# EAGLE board 14202-RedBoard-Panel (EAGLE 9.0.1), part 1 of 6
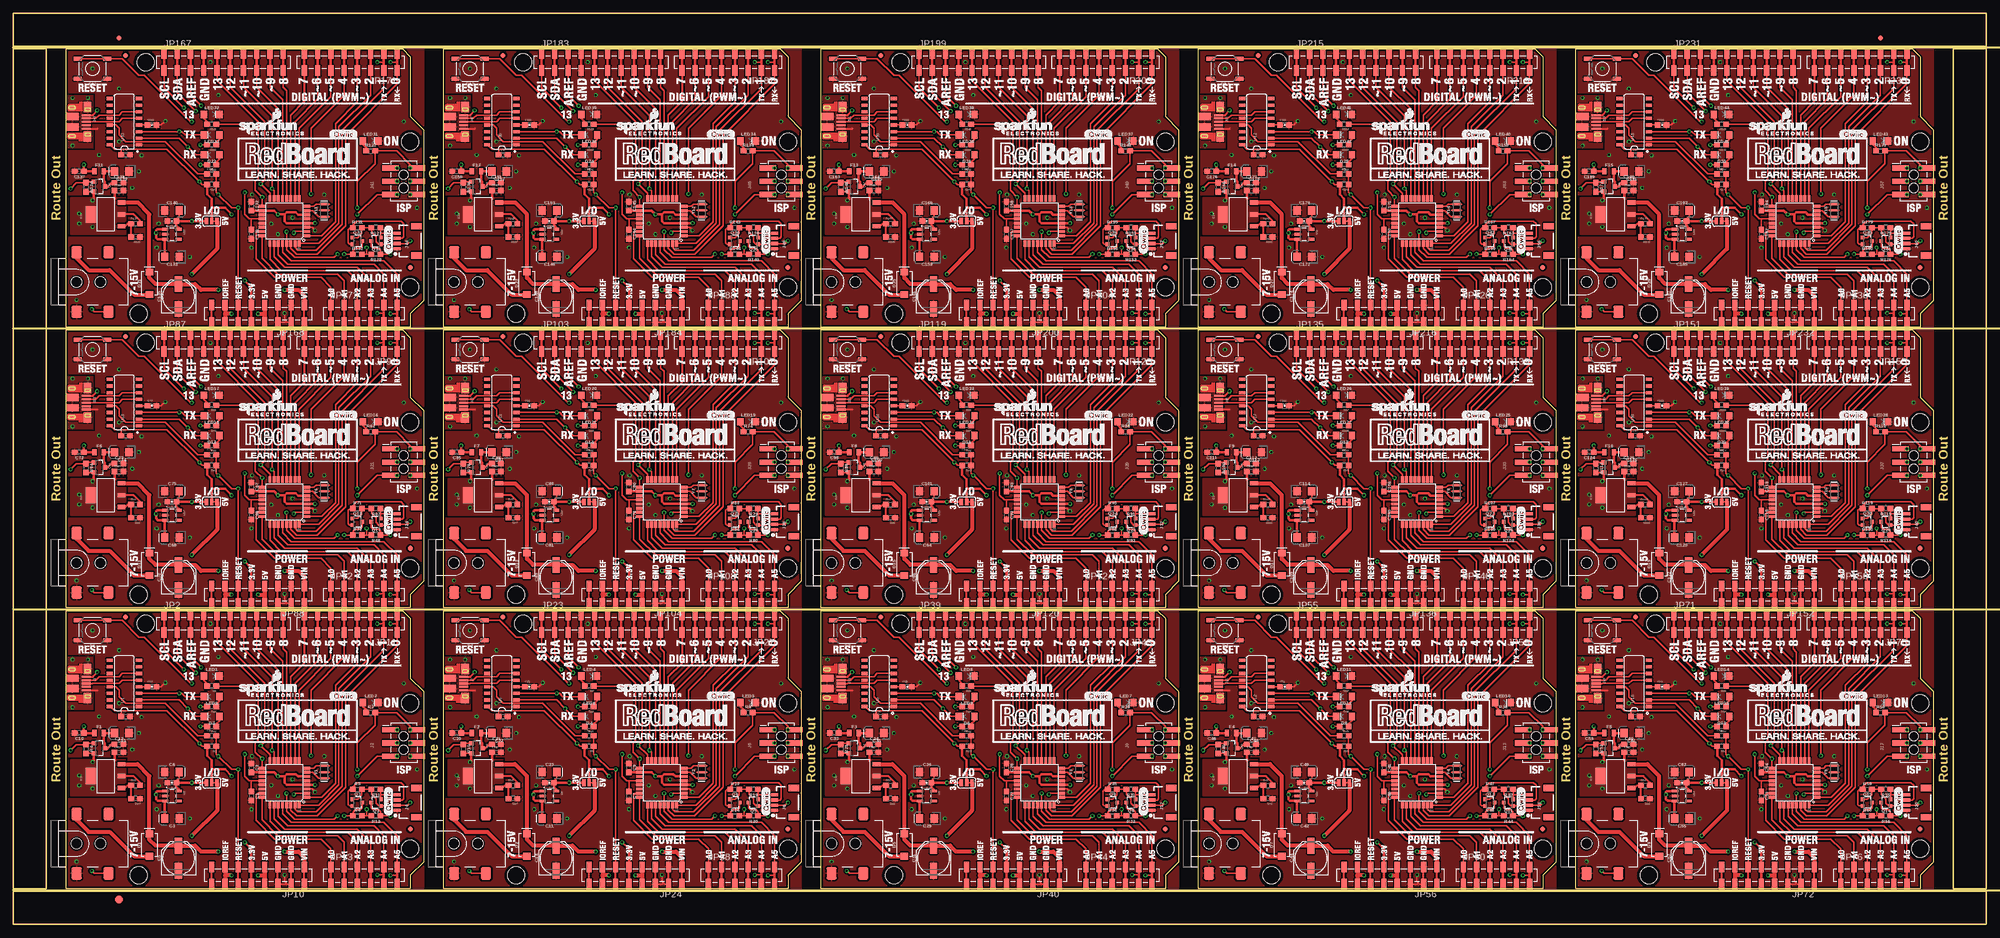
[diagram p0: board, top side]
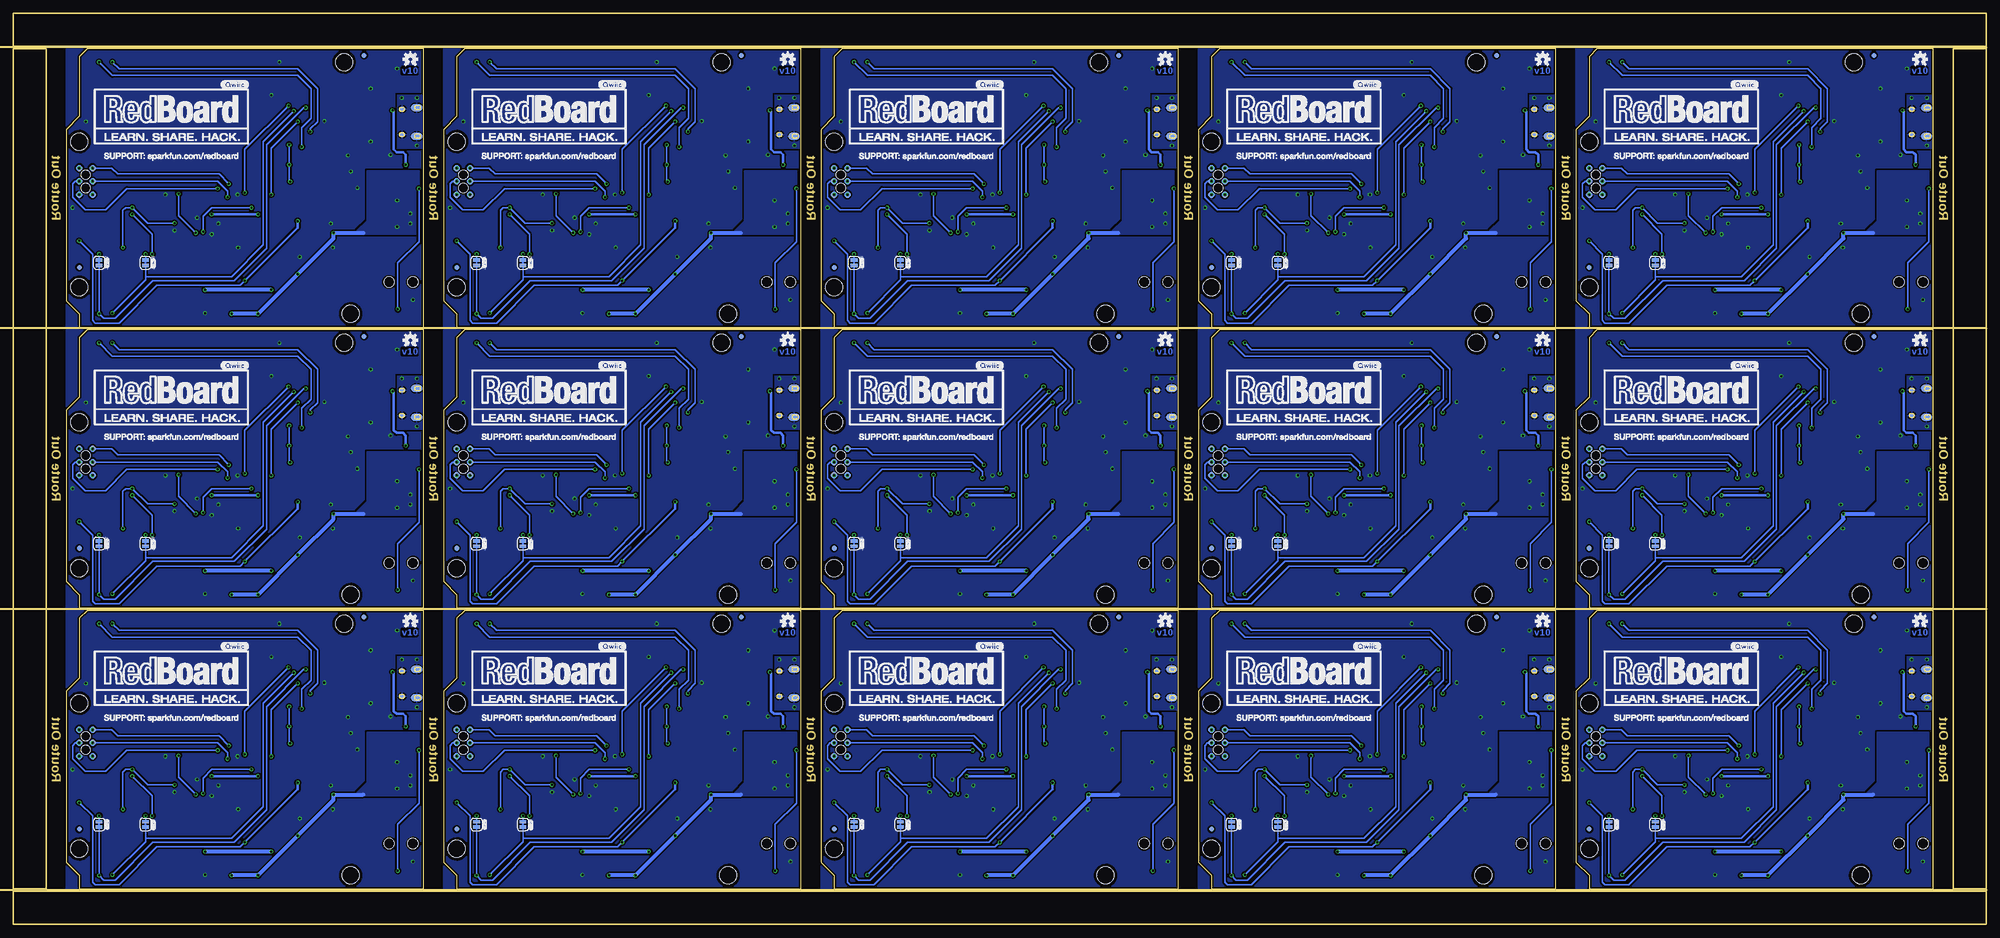
[diagram p1: board, bottom side, seen from below]

Size 378.46 x 174.75 mm. Coordinates in mm from the lower left corner, seen from the top.
Outline: 10.16,60.2 74.68,60.2 76.2,58.67 76.2,47.24 78.74,44.7 78.74,11.94 76.2,9.4 76.2,6.86 10.16,6.86 10.16,60.2
Outline: 82.55,60.2 147.07,60.2 148.59,58.67 148.59,47.24 151.13,44.7 151.13,11.94 148.59,9.4 148.59,6.86 82.55,6.86 82.55,60.2
Outline: 154.94,60.2 219.46,60.2 220.98,58.67 220.98,47.24 223.52,44.7 223.52,11.94 220.98,9.4 220.98,6.86 154.94,6.86 154.94,60.2
Outline: 227.33,60.2 291.85,60.2 293.37,58.67 293.37,47.24 295.91,44.7 295.91,11.94 293.37,9.4 293.37,6.86 227.33,6.86 227.33,60.2
Outline: 299.72,60.2 364.24,60.2 365.76,58.67 365.76,47.24 368.3,44.7 368.3,11.94 365.76,9.4 365.76,6.86 299.72,6.86 299.72,60.2
Outline: 10.16,114.05 74.68,114.05 76.2,112.52 76.2,101.09 78.74,98.55 78.74,65.79 76.2,63.25 76.2,60.71 10.16,60.71 10.16,114.05
Outline: 82.55,114.05 147.07,114.05 148.59,112.52 148.59,101.09 151.13,98.55 151.13,65.79 148.59,63.25 148.59,60.71 82.55,60.71 82.55,114.05
Outline: 154.94,114.05 219.46,114.05 220.98,112.52 220.98,101.09 223.52,98.55 223.52,65.79 220.98,63.25 220.98,60.71 154.94,60.71 154.94,114.05
Outline: 227.33,114.05 291.85,114.05 293.37,112.52 293.37,101.09 295.91,98.55 295.91,65.79 293.37,63.25 293.37,60.71 227.33,60.71 227.33,114.05
Outline: 299.72,114.05 364.24,114.05 365.76,112.52 365.76,101.09 368.3,98.55 368.3,65.79 365.76,63.25 365.76,60.71 299.72,60.71 299.72,114.05
Outline: 10.16,167.89 74.68,167.89 76.2,166.37 76.2,154.94 78.74,152.4 78.74,119.63 76.2,117.09 76.2,114.55 10.16,114.55 10.16,167.89
Outline: 82.55,167.89 147.07,167.89 148.59,166.37 148.59,154.94 151.13,152.4 151.13,119.63 148.59,117.09 148.59,114.55 82.55,114.55 82.55,167.89
Outline: 154.94,167.89 219.46,167.89 220.98,166.37 220.98,154.94 223.52,152.4 223.52,119.63 220.98,117.09 220.98,114.55 154.94,114.55 154.94,167.89
Outline: 227.33,167.89 291.85,167.89 293.37,166.37 293.37,154.94 295.91,152.4 295.91,119.63 293.37,117.09 293.37,114.55 227.33,114.55 227.33,167.89
Outline: 299.72,167.89 364.24,167.89 365.76,166.37 365.76,154.94 368.3,152.4 368.3,119.63 365.76,117.09 365.76,114.55 299.72,114.55 299.72,167.89
Outline: 0,6.35 378.46,6.35 378.46,0 0,0 0,6.35
Outline: 372.11,167.89 378.46,167.89 378.46,6.86 372.11,6.86 372.11,167.89
Outline: 0,174.75 378.46,174.75 378.46,168.4 0,168.4 0,174.75
Outline: 0,167.89 6.35,167.89 6.35,6.86 0,6.86 0,167.89
Copper layers (1*16): Top 0.035mm / dielectric 1.5mm / Bottom 0.035mm
Design rules "SparkFun-2-layer-PCBWay-LIMIT": minimum track width 6mil, minimum drill 0.3mm, track to track 6mil, track to pad 6mil, pad to pad 6mil, via to via 6mil, smd to smd 6mil, copper to edge 6mil, drill to drill 6mil, minimum pad ring 6mil, minimum via ring 6mil, stop-mask expansion 4mil, vias tented up to drill 25mil, thermal gap 10mil
vRestrict: area 10.8,29.2 to 12.2,37.5; area 15.9,30 to 17.5,37.5; area 58,17.7 to 58.7,18.2; area 60.6,17.5 to 61.1,18.4; area 21.5,36.2 to 22.9,38.5; area 10.4,19.8 to 19.6,31.9; area 83.2,29.2 to 84.6,37.5; area 88.3,30 to 89.9,37.5; area 130.4,17.7 to 131.1,18.2; area 133,17.5 to 133.5,18.4; area 93.9,36.2 to 95.2,38.5; area 82.8,19.8 to 91.9,31.9; area 155.6,29.2 to 157,37.5; area 160.7,30 to 162.3,37.5; area 202.8,17.7 to 203.5,18.2; area 205.4,17.5 to 205.9,18.4; area 166.2,36.2 to 167.6,38.5; area 155.2,19.8 to 164.3,31.9; area 228,29.2 to 229.4,37.5; area 233,30 to 234.7,37.5; area 275.2,17.7 to 275.8,18.2; area 277.7,17.5 to 278.3,18.4; area 238.6,36.2 to 240,38.5; area 227.6,19.8 to 236.7,31.9; area 300.4,29.2 to 301.8,37.5; area 305.4,30 to 307.1,37.5; area 347.6,17.7 to 348.2,18.2; area 350.1,17.5 to 350.6,18.4; area 311,36.2 to 312.4,38.5; area 300,19.8 to 309.1,31.9; area 10.8,83.1 to 12.2,91.3; area 15.9,83.8 to 17.5,91.3; area 58,71.5 to 58.7,72; area 60.6,71.4 to 61.1,72.3; area 21.5,90 to 22.9,92.3; area 10.4,73.7 to 19.6,85.7; area 83.2,83.1 to 84.6,91.3; area 88.3,83.8 to 89.9,91.3; area 130.4,71.5 to 131.1,72; area 133,71.4 to 133.5,72.3; area 93.9,90 to 95.2,92.3; area 82.8,73.7 to 91.9,85.7; area 155.6,83.1 to 157,91.3; area 160.7,83.8 to 162.3,91.3; area 202.8,71.5 to 203.5,72; area 205.4,71.4 to 205.9,72.3; area 166.2,90 to 167.6,92.3; area 155.2,73.7 to 164.3,85.7; area 228,83.1 to 229.4,91.3; area 233,83.8 to 234.7,91.3; area 275.2,71.5 to 275.8,72; area 277.7,71.4 to 278.3,72.3; area 238.6,90 to 240,92.3; area 227.6,73.7 to 236.7,85.7; area 300.4,83.1 to 301.8,91.3; area 305.4,83.8 to 307.1,91.3; area 347.6,71.5 to 348.2,72; area 350.1,71.4 to 350.6,72.3; area 311,90 to 312.4,92.3; area 300,73.7 to 309.1,85.7; area 10.8,136.9 to 12.2,145.2; area 15.9,137.7 to 17.5,145.2; area 58,125.3 to 58.7,125.9; area 60.6,125.2 to 61.1,126.1; area 21.5,143.9 to 22.9,146.2; area 10.4,127.5 to 19.6,139.6; area 83.2,136.9 to 84.6,145.2; area 88.3,137.7 to 89.9,145.2; area 130.4,125.3 to 131.1,125.9; area 133,125.2 to 133.5,126.1; area 93.9,143.9 to 95.2,146.2; area 82.8,127.5 to 91.9,139.6; area 155.6,136.9 to 157,145.2; area 160.7,137.7 to 162.3,145.2; area 202.8,125.3 to 203.5,125.9; area 205.4,125.2 to 205.9,126.1; area 166.2,143.9 to 167.6,146.2; area 155.2,127.5 to 164.3,139.6; area 228,136.9 to 229.4,145.2; area 233,137.7 to 234.7,145.2; area 275.2,125.3 to 275.8,125.9; area 277.7,125.2 to 278.3,126.1; area 238.6,143.9 to 240,146.2; area 227.6,127.5 to 236.7,139.6; area 300.4,136.9 to 301.8,145.2; area 305.4,137.7 to 307.1,145.2; area 347.6,125.3 to 348.2,125.9; area 350.1,125.2 to 350.6,126.1; area 311,143.9 to 312.4,146.2; area 300,127.5 to 309.1,139.6
Milling: 4 lines

## Footprints (pad centres in the part's own frame; a part is rotated, then mirrored left to right if it is on the bottom)
0603 = smd 1.1 x 1: 1 -0.85,0; 2 0.85,0
EIA3216 = smd 1.4 x 1.6: + 1.4,0; - -1.4,0
PANASONIC_D = smd 3 x 1.4: + 2.4,0; - -2.4,0
0603-CAP = smd 1.1 x 1: 1 -0.85,0; 2 0.85,0
SMA-DIODE = smd 1.27 x 1.47: A -2.15,0; C 2.15,0
LED-1206-HIDDENSILK = smd 1.2 x 1.4: A -1.5,0; C 1.5,0
FIDUCIAL-1X2 = smd 1 x 1: 1 0,0
FIDUCIAL-1.5X3 = smd 1.5 x 1.5: 1 0,0
0805 = smd 0.8 x 1.2: 1 -0.9,0; 2 0.9,0
SMT-JUMPER_3_1-NC_TRACE_SILK = smd 0.635 x 1.27: 1 -1.016,0; 2 0,0; 3 1.016,0
SOT223-ALT1 = smd 0.813 x 1.524: 1 -2.271,-3.02; 2 0,-3.02; 3 2.288,-3.02 | smd 3.124 x 1.905: 4 0,2.921
USB-MICROB-PTH-MILL = smd 0.4 x 1.75: D+ 0.031,1.331; D- -0.619,1.331; GND 1.331,1.331; ID 0.681,1.331; VBUS -1.269,1.331 | smd 2 x 1.46: SHIELD -2.794,1.606; SHIELD2 2.831,1.606 | smd 1.425 x 2.5: SHIELD3 -0.979,-1.349; SHIELD4 0.996,-1.352 | smd 1.4 x 2.1 bottom: SHIELD5 -2.7,-1.2; SHIELD7 2.8,-1.2 | smd 1.1 x 1.5: SHIELD6 2.8,-1.4; SHIELD8 -2.7,-1.4 | smd 1 x 1.3 bottom: SHIELD9 -2.4,1.6; SHIELD10 2.5,1.6
2X3_SMT_POSTS = smd 1 x 3.17: 1 -2.54,-2.54; 2 -2.54,2.54; 3 0,-2.54; 4 0,2.54; 5 2.54,-2.54; 6 2.54,2.54 | hole 1.8: -1.27,0; 1.27,0
POWER_JACK_SMD_OVERPASTE_SUPER_BOMB_DIGITY = smd 2 x 2.4: GND 0,-5.7; P$4 6.1,-5.7; VIN0 0,5.7; VIN1 6.1,5.7 | hole 2.032: 0,0; 4.572,0
1X04_1MM_RA = smd 0.6 x 1.35: 1 -1.5,0; 2 -0.5,0; 3 0.5,0; 4 1.5,0 | smd 1.2 x 2: NC1 2.8,-3.675; NC2 -2.8,-3.675
1X10_SMD_COMBINED = smd 1 x 2: 1A 0,1.65; 1B 0,-1.65; 2A 2.54,1.65; 2B 2.54,-1.65; 3A 5.08,1.65; 3B 5.08,-1.65; 4A 7.62,1.65; 4B 7.62,-1.65; 5A 10.16,1.65; 5B 10.16,-1.65; 6A 12.7,1.65; 6B 12.7,-1.65; 7A 15.24,1.65; 7B 15.24,-1.65; 8A 17.78,1.65; 8B 17.78,-1.65; 9A 20.32,1.65; 9B 20.32,-1.65; 10A 22.86,1.65; 10B 22.86,-1.65
STAND-OFF = hole 3.302: 0,0
1X08_SMD_COMBINED = smd 1 x 2: 1 0,1.65; 1@2 0,-1.65; 2 2.54,-1.65; 2@2 2.54,1.65; 3 5.08,1.65; 3@2 5.08,-1.65; 4 7.62,-1.65; 4@2 7.62,1.65; 5 10.16,1.65; 5@2 10.16,-1.65; 6 12.7,-1.65; 6@2 12.7,1.65; 7 15.24,1.65; 7@2 15.24,-1.65; 8 17.78,-1.65; 8@2 17.78,1.65
1X08_SMD_COMBINED@1 = smd 1 x 2: 1A 0,1.65; 1B 0,-1.65; 2A 2.54,-1.65; 2B 2.54,1.65; 3A 5.08,1.65; 3B 5.08,-1.65; 4A 7.62,-1.65; 4B 7.62,1.65; 5A 10.16,1.65; 5B 10.16,-1.65; 6A 12.7,-1.65; 6B 12.7,1.65; 7A 15.24,1.65; 7B 15.24,-1.65; 8A 17.78,-1.65; 8B 17.78,1.65
SMT-JUMPER_2_NC_TRACE_SILK = smd 0.635 x 1.27: 1 -0.508,0; 2 0.508,0
1X06_SMD_STRAIGHT_COMBO = smd 1 x 2: 1A 0,-1.65; 1B 0,1.65; 2A 2.54,1.65; 2B 2.54,-1.65; 3A 5.08,-1.65; 3B 5.08,1.65; 4A 7.62,1.65; 4B 7.62,-1.65; 5A 10.16,-1.65; 5B 10.16,1.65; 6A 12.7,1.65; 6B 12.7,-1.65
SOT23-3 = smd 0.8 x 0.9: 1 -0.95,-1; 2 0.95,-1; 3 0,1.1
SOT323 = smd 0.7 x 0.7: 1 -0.65,-0.925; 2 0.65,-0.925; 3 0,0.925
TACTILE_SWITCH_SMD_5.2MM = smd 1.524 x 0.762: 1 -2.794,1.905; 2 2.794,1.905; 3 -2.794,-1.905; 4 2.794,-1.905
PAD.03X.05 = smd 1.27 x 1.27: P$1 0,0
SO016 = smd 0.6 x 1.2: 1 -4.445,-2.8; 2 -3.175,-2.8; 3 -1.905,-2.8; 4 -0.635,-2.8; 5 0.635,-2.8; 6 1.905,-2.8; 7 3.175,-2.8; 8 4.445,-2.8; 9 4.445,2.8; 10 3.175,2.8; 11 1.905,2.8; 12 0.635,2.8; 13 -0.635,2.8; 14 -1.905,2.8; 15 -3.175,2.8; 16 -4.445,2.8
TQFP32-08 = smd 1.27 x 0.559: 1 -4.293,2.8; 2 -4.293,2; 3 -4.293,1.2; 4 -4.293,0.4; 5 -4.293,-0.4; 6 -4.293,-1.2; 7 -4.293,-2; 8 -4.293,-2.8; 17 4.293,-2.8; 18 4.293,-2; 19 4.293,-1.2; 20 4.293,-0.4; 21 4.293,0.4; 22 4.293,1.2; 23 4.293,2; 24 4.293,2.8 | smd 0.559 x 1.27: 9 -2.8,-4.293; 10 -2,-4.293; 11 -1.2,-4.293; 12 -0.4,-4.293; 13 0.4,-4.293; 14 1.2,-4.293; 15 2,-4.293; 16 2.8,-4.293; 25 2.8,4.293; 26 2,4.293; 27 1.2,4.293; 28 0.4,4.293; 29 -0.4,4.293; 30 -1.2,4.293; 31 -2,4.293; 32 -2.8,4.293
SOT23-5 = smd 0.55 x 1.2: 1 -0.95,-1.3; 2 0,-1.3; 3 0.95,-1.3; 4 0.95,1.3; 5 -0.95,1.3
RESONATOR-SMD-3.2X1.3 = smd 0.45 x 1.905: 1 -1.2,0; 2 0,0; 3 1.2,0

## Placement (x,y rotation side)
C1  0.1uF  [0603]  45.72,24.64 270 top
C2  0.1uF  [0603]  45.72,30.03 270 top
C3  10uF  [EIA3216]  30.48,20.32 180 top
C4  0.1uF  [0603]  20.32,33.02 0 top
C5  47uF  [PANASONIC_D]  31.75,12.7 90 top
C6  10uF  [EIA3216]  30.48,29.21 0 top
C7  0.1uF  [0603]  118.11,24.64 270 top
C8  0.1uF  [0603]  38.1,36.2 0 top
C9  0.1uF  [0603]  118.11,30.03 270 top
C10  0.1uF  [0603]  12.7,36.7 180 top
C11  10uF  [EIA3216]  102.87,20.32 180 top
C12  0.1uF  [0603]  20.32,34.54 0 top
C13  0.1uF  [0603]  92.71,33.02 0 top
C14  47uF  [PANASONIC_D]  104.14,12.7 90 top
C15  10uF  [EIA3216]  20.83,36.7 180 top
C16  1.0uF  [0603-CAP]  30.48,27.18 180 top
C17  10nF  [0603-CAP]  26.67,45.59 0 top
C18  0.1uF  [0603]  21.59,39.88 0 top
C19  0.1uF  [0603]  110.49,36.2 0 top
C20  0.1uF  [0603]  85.09,36.7 180 top
C21  0.1uF  [0603]  92.71,34.54 0 top
C22  10uF  [EIA3216]  93.22,36.7 180 top
C23  10uF  [EIA3216]  102.87,29.21 0 top
C24  1.0uF  [0603-CAP]  102.87,27.18 180 top
C25  10nF  [0603-CAP]  99.06,45.59 0 top
C26  0.1uF  [0603]  93.98,39.88 0 top
C27  0.1uF  [0603]  190.5,24.64 270 top
C28  0.1uF  [0603]  190.5,30.03 270 top
C29  10uF  [EIA3216]  175.26,20.32 180 top
C30  0.1uF  [0603]  165.1,33.02 0 top
C31  47uF  [PANASONIC_D]  176.53,12.7 90 top
C32  0.1uF  [0603]  182.88,36.2 0 top
C33  0.1uF  [0603]  157.48,36.7 180 top
C34  0.1uF  [0603]  165.1,34.54 0 top
C35  10uF  [EIA3216]  165.61,36.7 180 top
C36  10uF  [EIA3216]  175.26,29.21 0 top
C37  1.0uF  [0603-CAP]  175.26,27.18 180 top
C38  10nF  [0603-CAP]  171.45,45.59 0 top
C39  0.1uF  [0603]  166.37,39.88 0 top
C40  0.1uF  [0603]  262.89,24.64 270 top
C41  0.1uF  [0603]  262.89,30.03 270 top
C42  10uF  [EIA3216]  247.65,20.32 180 top
C43  0.1uF  [0603]  237.49,33.02 0 top
C44  47uF  [PANASONIC_D]  248.92,12.7 90 top
C45  0.1uF  [0603]  255.27,36.2 0 top
C46  0.1uF  [0603]  229.87,36.7 180 top
C47  0.1uF  [0603]  237.49,34.54 0 top
C48  10uF  [EIA3216]  238,36.7 180 top
C49  10uF  [EIA3216]  247.65,29.21 0 top
C50  1.0uF  [0603-CAP]  247.65,27.18 180 top
C51  10nF  [0603-CAP]  243.84,45.59 0 top
C52  0.1uF  [0603]  238.76,39.88 0 top
C53  0.1uF  [0603]  335.28,24.64 270 top
C54  0.1uF  [0603]  335.28,30.03 270 top
C55  10uF  [EIA3216]  320.04,20.32 180 top
C56  0.1uF  [0603]  309.88,33.02 0 top
C57  47uF  [PANASONIC_D]  321.31,12.7 90 top
C58  0.1uF  [0603]  327.66,36.2 0 top
C59  0.1uF  [0603]  302.26,36.7 180 top
C60  0.1uF  [0603]  309.88,34.54 0 top
C61  10uF  [EIA3216]  310.39,36.7 180 top
C62  10uF  [EIA3216]  320.04,29.21 0 top
C63  1.0uF  [0603-CAP]  320.04,27.18 180 top
C64  10nF  [0603-CAP]  316.23,45.59 0 top
C65  0.1uF  [0603]  311.15,39.88 0 top
C66  0.1uF  [0603]  45.72,78.49 270 top
C67  0.1uF  [0603]  45.72,83.88 270 top
C68  10uF  [EIA3216]  30.48,74.17 180 top
C69  0.1uF  [0603]  20.32,86.87 0 top
C70  47uF  [PANASONIC_D]  31.75,66.55 90 top
C71  0.1uF  [0603]  38.1,90.04 0 top
C72  0.1uF  [0603]  12.7,90.55 180 top
C73  0.1uF  [0603]  20.32,88.39 0 top
C74  10uF  [EIA3216]  20.83,90.55 180 top
C75  10uF  [EIA3216]  30.48,83.06 0 top
C76  1.0uF  [0603-CAP]  30.48,81.03 180 top
C77  10nF  [0603-CAP]  26.67,99.44 0 top
C78  0.1uF  [0603]  21.59,93.73 0 top
C79  0.1uF  [0603]  118.11,78.49 270 top
C80  0.1uF  [0603]  118.11,83.88 270 top
C81  10uF  [EIA3216]  102.87,74.17 180 top
C82  0.1uF  [0603]  92.71,86.87 0 top
C83  47uF  [PANASONIC_D]  104.14,66.55 90 top
C84  0.1uF  [0603]  110.49,90.04 0 top
C85  0.1uF  [0603]  85.09,90.55 180 top
C86  0.1uF  [0603]  92.71,88.39 0 top
C87  10uF  [EIA3216]  93.22,90.55 180 top
C88  10uF  [EIA3216]  102.87,83.06 0 top
C89  1.0uF  [0603-CAP]  102.87,81.03 180 top
C90  10nF  [0603-CAP]  99.06,99.44 0 top
C91  0.1uF  [0603]  93.98,93.73 0 top
C92  0.1uF  [0603]  190.5,78.49 270 top
C93  0.1uF  [0603]  190.5,83.88 270 top
C94  10uF  [EIA3216]  175.26,74.17 180 top
C95  0.1uF  [0603]  165.1,86.87 0 top
C96  47uF  [PANASONIC_D]  176.53,66.55 90 top
C97  0.1uF  [0603]  182.88,90.04 0 top
C98  0.1uF  [0603]  157.48,90.55 180 top
C99  0.1uF  [0603]  165.1,88.39 0 top
C100  10uF  [EIA3216]  165.61,90.55 180 top
C101  10uF  [EIA3216]  175.26,83.06 0 top
C102  1.0uF  [0603-CAP]  175.26,81.03 180 top
C103  10nF  [0603-CAP]  171.45,99.44 0 top
C104  0.1uF  [0603]  166.37,93.73 0 top
C105  0.1uF  [0603]  262.89,78.49 270 top
C106  0.1uF  [0603]  262.89,83.88 270 top
C107  10uF  [EIA3216]  247.65,74.17 180 top
C108  0.1uF  [0603]  237.49,86.87 0 top
C109  47uF  [PANASONIC_D]  248.92,66.55 90 top
C110  0.1uF  [0603]  255.27,90.04 0 top
C111  0.1uF  [0603]  229.87,90.55 180 top
C112  0.1uF  [0603]  237.49,88.39 0 top
C113  10uF  [EIA3216]  238,90.55 180 top
C114  10uF  [EIA3216]  247.65,83.06 0 top
C115  1.0uF  [0603-CAP]  247.65,81.03 180 top
C116  10nF  [0603-CAP]  243.84,99.44 0 top
C117  0.1uF  [0603]  238.76,93.73 0 top
C118  0.1uF  [0603]  335.28,78.49 270 top
C119  0.1uF  [0603]  335.28,83.88 270 top
C120  10uF  [EIA3216]  320.04,74.17 180 top
C121  0.1uF  [0603]  309.88,86.87 0 top
C122  47uF  [PANASONIC_D]  321.31,66.55 90 top
C123  0.1uF  [0603]  327.66,90.04 0 top
C124  0.1uF  [0603]  302.26,90.55 180 top
C125  0.1uF  [0603]  309.88,88.39 0 top
C126  10uF  [EIA3216]  310.39,90.55 180 top
C127  10uF  [EIA3216]  320.04,83.06 0 top
C128  1.0uF  [0603-CAP]  320.04,81.03 180 top
C129  10nF  [0603-CAP]  316.23,99.44 0 top
C130  0.1uF  [0603]  311.15,93.73 0 top
C131  0.1uF  [0603]  45.72,132.33 270 top
C132  0.1uF  [0603]  45.72,137.72 270 top
C133  10uF  [EIA3216]  30.48,128.02 180 top
C134  0.1uF  [0603]  20.32,140.72 0 top
C135  47uF  [PANASONIC_D]  31.75,120.4 90 top
C136  0.1uF  [0603]  38.1,143.89 0 top
C137  0.1uF  [0603]  12.7,144.4 180 top
C138  0.1uF  [0603]  20.32,142.24 0 top
C139  10uF  [EIA3216]  20.83,144.4 180 top
C140  10uF  [EIA3216]  30.48,136.91 0 top
C141  1.0uF  [0603-CAP]  30.48,134.87 180 top
C142  10nF  [0603-CAP]  26.67,153.29 0 top
C143  0.1uF  [0603]  21.59,147.57 0 top
C144  0.1uF  [0603]  118.11,132.33 270 top
C145  0.1uF  [0603]  118.11,137.72 270 top
C146  10uF  [EIA3216]  102.87,128.02 180 top
C147  0.1uF  [0603]  92.71,140.72 0 top
C148  47uF  [PANASONIC_D]  104.14,120.4 90 top
C149  0.1uF  [0603]  110.49,143.89 0 top
C150  0.1uF  [0603]  85.09,144.4 180 top
C151  0.1uF  [0603]  92.71,142.24 0 top
C152  10uF  [EIA3216]  93.22,144.4 180 top
C153  10uF  [EIA3216]  102.87,136.91 0 top
C154  1.0uF  [0603-CAP]  102.87,134.87 180 top
C155  10nF  [0603-CAP]  99.06,153.29 0 top
C156  0.1uF  [0603]  93.98,147.57 0 top
C157  0.1uF  [0603]  190.5,132.33 270 top
C158  0.1uF  [0603]  190.5,137.72 270 top
C159  10uF  [EIA3216]  175.26,128.02 180 top
C160  0.1uF  [0603]  165.1,140.72 0 top
C161  47uF  [PANASONIC_D]  176.53,120.4 90 top
C162  0.1uF  [0603]  182.88,143.89 0 top
C163  0.1uF  [0603]  157.48,144.4 180 top
C164  0.1uF  [0603]  165.1,142.24 0 top
C165  10uF  [EIA3216]  165.61,144.4 180 top
C166  10uF  [EIA3216]  175.26,136.91 0 top
C167  1.0uF  [0603-CAP]  175.26,134.87 180 top
C168  10nF  [0603-CAP]  171.45,153.29 0 top
C169  0.1uF  [0603]  166.37,147.57 0 top
C170  0.1uF  [0603]  262.89,132.33 270 top
C171  0.1uF  [0603]  262.89,137.72 270 top
C172  10uF  [EIA3216]  247.65,128.02 180 top
C173  0.1uF  [0603]  237.49,140.72 0 top
C174  47uF  [PANASONIC_D]  248.92,120.4 90 top
C175  0.1uF  [0603]  255.27,143.89 0 top
C176  0.1uF  [0603]  229.87,144.4 180 top
C177  0.1uF  [0603]  237.49,142.24 0 top
C178  10uF  [EIA3216]  238,144.4 180 top
C179  10uF  [EIA3216]  247.65,136.91 0 top
C180  1.0uF  [0603-CAP]  247.65,134.87 180 top
C181  10nF  [0603-CAP]  243.84,153.29 0 top
C182  0.1uF  [0603]  238.76,147.57 0 top
C183  0.1uF  [0603]  335.28,132.33 270 top
C184  0.1uF  [0603]  335.28,137.72 270 top
C185  10uF  [EIA3216]  320.04,128.02 180 top
C186  0.1uF  [0603]  309.88,140.72 0 top
C187  47uF  [PANASONIC_D]  321.31,120.4 90 top
C188  0.1uF  [0603]  327.66,143.89 0 top
C189  0.1uF  [0603]  302.26,144.4 180 top
C190  0.1uF  [0603]  309.88,142.24 0 top
C191  10uF  [EIA3216]  310.39,144.4 180 top
C192  10uF  [EIA3216]  320.04,136.91 0 top
C193  1.0uF  [0603-CAP]  320.04,134.87 180 top
C194  10nF  [0603-CAP]  316.23,153.29 0 top
C195  0.1uF  [0603]  311.15,147.57 0 top
D1  1A/40V/500mV  [SMA-DIODE]  26.16,15.24 90 top
D2  1A/40V/500mV  [SMA-DIODE]  98.55,15.24 90 top
D3  Yellow  [LED-1206-HIDDENSILK]  38.1,39.88 180 top
D4  Yellow  [LED-1206-HIDDENSILK]  110.49,39.88 180 top
D5  1A/40V/500mV  [SMA-DIODE]  170.94,15.24 90 top
D6  Yellow  [LED-1206-HIDDENSILK]  182.88,39.88 180 top
D7  1A/40V/500mV  [SMA-DIODE]  243.33,15.24 90 top
D8  Yellow  [LED-1206-HIDDENSILK]  255.27,39.88 180 top
D9  1A/40V/500mV  [SMA-DIODE]  315.72,15.24 90 top
D10  Yellow  [LED-1206-HIDDENSILK]  327.66,39.88 180 top
D11  1A/40V/500mV  [SMA-DIODE]  26.16,69.09 90 top
D12  Yellow  [LED-1206-HIDDENSILK]  38.1,93.73 180 top
D13  1A/40V/500mV  [SMA-DIODE]  98.55,69.09 90 top
D14  Yellow  [LED-1206-HIDDENSILK]  110.49,93.73 180 top
D15  1A/40V/500mV  [SMA-DIODE]  170.94,69.09 90 top
D16  Yellow  [LED-1206-HIDDENSILK]  182.88,93.73 180 top
D17  1A/40V/500mV  [SMA-DIODE]  243.33,69.09 90 top
D18  Yellow  [LED-1206-HIDDENSILK]  255.27,93.73 180 top
D19  1A/40V/500mV  [SMA-DIODE]  315.72,69.09 90 top
D20  Yellow  [LED-1206-HIDDENSILK]  327.66,93.73 180 top
D21  1A/40V/500mV  [SMA-DIODE]  26.16,122.94 90 top
D22  Yellow  [LED-1206-HIDDENSILK]  38.1,147.57 180 top
D23  1A/40V/500mV  [SMA-DIODE]  98.55,122.94 90 top
D24  Yellow  [LED-1206-HIDDENSILK]  110.49,147.57 180 top
D25  1A/40V/500mV  [SMA-DIODE]  170.94,122.94 90 top
D26  Yellow  [LED-1206-HIDDENSILK]  182.88,147.57 180 top
D27  1A/40V/500mV  [SMA-DIODE]  243.33,122.94 90 top
D28  Yellow  [LED-1206-HIDDENSILK]  255.27,147.57 180 top
D29  1A/40V/500mV  [SMA-DIODE]  315.72,122.94 90 top
D30  Yellow  [LED-1206-HIDDENSILK]  327.66,147.57 180 top
E$1  [FIDUCIAL-1X2]  20.32,169.99 0 top
E$2  [FIDUCIAL-1X2]  358.14,169.99 0 top
E$3  [FIDUCIAL-1.5X3]  20.32,4.76 0 top
F1  PPTC_6V500MA  [0805]  16.51,36.7 0 top
F2  PPTC_6V500MA  [0805]  88.9,36.7 0 top
F3  PPTC_6V500MA  [0805]  161.29,36.7 0 top
F4  PPTC_6V500MA  [0805]  233.68,36.7 0 top
F5  PPTC_6V500MA  [0805]  306.07,36.7 0 top
F6  PPTC_6V500MA  [0805]  16.51,90.55 0 top
F7  PPTC_6V500MA  [0805]  88.9,90.55 0 top
F8  PPTC_6V500MA  [0805]  161.29,90.55 0 top
F9  PPTC_6V500MA  [0805]  233.68,90.55 0 top
F10  PPTC_6V500MA  [0805]  306.07,90.55 0 top
F11  PPTC_6V500MA  [0805]  16.51,144.4 0 top
F12  PPTC_6V500MA  [0805]  88.9,144.4 0 top
F13  PPTC_6V500MA  [0805]  161.29,144.4 0 top
F14  PPTC_6V500MA  [0805]  233.68,144.4 0 top
F15  PPTC_6V500MA  [0805]  306.07,144.4 0 top
I/O  [SMT-JUMPER_3_1-NC_TRACE_SILK]  38.1,27.18 0 top
I/O1  [SMT-JUMPER_3_1-NC_TRACE_SILK]  110.49,27.18 0 top
I/O2  [SMT-JUMPER_3_1-NC_TRACE_SILK]  182.88,27.18 0 top
I/O3  [SMT-JUMPER_3_1-NC_TRACE_SILK]  255.27,27.18 0 top
I/O4  [SMT-JUMPER_3_1-NC_TRACE_SILK]  327.66,27.18 0 top
I/O5  [SMT-JUMPER_3_1-NC_TRACE_SILK]  38.1,81.03 0 top
I/O6  [SMT-JUMPER_3_1-NC_TRACE_SILK]  110.49,81.03 0 top
I/O7  [SMT-JUMPER_3_1-NC_TRACE_SILK]  182.88,81.03 0 top
I/O8  [SMT-JUMPER_3_1-NC_TRACE_SILK]  255.27,81.03 0 top
I/O9  [SMT-JUMPER_3_1-NC_TRACE_SILK]  327.66,81.03 0 top
I/O10  [SMT-JUMPER_3_1-NC_TRACE_SILK]  38.1,134.87 0 top
I/O11  [SMT-JUMPER_3_1-NC_TRACE_SILK]  110.49,134.87 0 top
I/O12  [SMT-JUMPER_3_1-NC_TRACE_SILK]  182.88,134.87 0 top
I/O13  [SMT-JUMPER_3_1-NC_TRACE_SILK]  255.27,134.87 0 top
I/O14  [SMT-JUMPER_3_1-NC_TRACE_SILK]  327.66,134.87 0 top
IC1  LM1117  [SOT223-ALT1]  90.17,28.45 90 top
IC2  LM1117  [SOT223-ALT1]  162.56,28.45 90 top
IC3  LM1117  [SOT223-ALT1]  17.78,28.45 90 top
IC4  LM1117  [SOT223-ALT1]  234.95,28.45 90 top
IC5  LM1117  [SOT223-ALT1]  307.34,28.45 90 top
IC6  LM1117  [SOT223-ALT1]  17.78,82.3 90 top
IC7  LM1117  [SOT223-ALT1]  90.17,82.3 90 top
IC8  LM1117  [SOT223-ALT1]  162.56,82.3 90 top
IC9  LM1117  [SOT223-ALT1]  234.95,82.3 90 top
IC10  LM1117  [SOT223-ALT1]  307.34,82.3 90 top
IC11  LM1117  [SOT223-ALT1]  17.78,136.14 90 top
IC12  LM1117  [SOT223-ALT1]  90.17,136.14 90 top
IC13  LM1117  [SOT223-ALT1]  162.56,136.14 90 top
IC14  LM1117  [SOT223-ALT1]  234.95,136.14 90 top
IC15  LM1117  [SOT223-ALT1]  307.34,136.14 90 top
J1  AMP FCI 10103594-0001LF  [USB-MICROB-PTH-MILL]  12.7,46.23 270 top
J2  ISP  [2X3_SMT_POSTS]  74.93,34.8 270 top
J3  POWER_JACKSUPER_BOMB_DIGITY  [POWER_JACK_SMD_OVERPASTE_SUPER_BOMB_DIGITY]  12.19,15.49 0 top
J4  [1X04_1MM_RA]  73.66,23.37 90 top
J5  ISP  [2X3_SMT_POSTS]  147.32,34.8 270 top
J6  POWER_JACKSUPER_BOMB_DIGITY  [POWER_JACK_SMD_OVERPASTE_SUPER_BOMB_DIGITY]  84.58,15.49 0 top
J7  AMP FCI 10103594-0001LF  [USB-MICROB-PTH-MILL]  85.09,46.23 270 top
J8  [1X04_1MM_RA]  146.05,23.37 90 top
J9  ISP  [2X3_SMT_POSTS]  219.71,34.8 270 top
J10  POWER_JACKSUPER_BOMB_DIGITY  [POWER_JACK_SMD_OVERPASTE_SUPER_BOMB_DIGITY]  156.97,15.49 0 top
J11  AMP FCI 10103594-0001LF  [USB-MICROB-PTH-MILL]  157.48,46.23 270 top
J12  [1X04_1MM_RA]  218.44,23.37 90 top
J13  ISP  [2X3_SMT_POSTS]  292.1,34.8 270 top
J14  POWER_JACKSUPER_BOMB_DIGITY  [POWER_JACK_SMD_OVERPASTE_SUPER_BOMB_DIGITY]  229.36,15.49 0 top
J15  AMP FCI 10103594-0001LF  [USB-MICROB-PTH-MILL]  229.87,46.23 270 top
J16  [1X04_1MM_RA]  290.83,23.37 90 top
J17  ISP  [2X3_SMT_POSTS]  364.49,34.8 270 top
J18  POWER_JACKSUPER_BOMB_DIGITY  [POWER_JACK_SMD_OVERPASTE_SUPER_BOMB_DIGITY]  301.75,15.49 0 top
J19  AMP FCI 10103594-0001LF  [USB-MICROB-PTH-MILL]  302.26,46.23 270 top
J20  [1X04_1MM_RA]  363.22,23.37 90 top
J21  ISP  [2X3_SMT_POSTS]  74.93,88.65 270 top
J22  POWER_JACKSUPER_BOMB_DIGITY  [POWER_JACK_SMD_OVERPASTE_SUPER_BOMB_DIGITY]  12.19,69.34 0 top
J23  AMP FCI 10103594-0001LF  [USB-MICROB-PTH-MILL]  12.7,100.08 270 top
J24  [1X04_1MM_RA]  73.66,77.22 90 top
J25  ISP  [2X3_SMT_POSTS]  147.32,88.65 270 top
J26  POWER_JACKSUPER_BOMB_DIGITY  [POWER_JACK_SMD_OVERPASTE_SUPER_BOMB_DIGITY]  84.58,69.34 0 top
J27  AMP FCI 10103594-0001LF  [USB-MICROB-PTH-MILL]  85.09,100.08 270 top
J28  [1X04_1MM_RA]  146.05,77.22 90 top
J29  ISP  [2X3_SMT_POSTS]  219.71,88.65 270 top
J30  POWER_JACKSUPER_BOMB_DIGITY  [POWER_JACK_SMD_OVERPASTE_SUPER_BOMB_DIGITY]  156.97,69.34 0 top
J31  AMP FCI 10103594-0001LF  [USB-MICROB-PTH-MILL]  157.48,100.08 270 top
J32  [1X04_1MM_RA]  218.44,77.22 90 top
J33  ISP  [2X3_SMT_POSTS]  292.1,88.65 270 top
J34  POWER_JACKSUPER_BOMB_DIGITY  [POWER_JACK_SMD_OVERPASTE_SUPER_BOMB_DIGITY]  229.36,69.34 0 top
J35  AMP FCI 10103594-0001LF  [USB-MICROB-PTH-MILL]  229.87,100.08 270 top
J36  [1X04_1MM_RA]  290.83,77.22 90 top
J37  ISP  [2X3_SMT_POSTS]  364.49,88.65 270 top
J38  POWER_JACKSUPER_BOMB_DIGITY  [POWER_JACK_SMD_OVERPASTE_SUPER_BOMB_DIGITY]  301.75,69.34 0 top
J39  AMP FCI 10103594-0001LF  [USB-MICROB-PTH-MILL]  302.26,100.08 270 top
J40  [1X04_1MM_RA]  363.22,77.22 90 top
J41  ISP  [2X3_SMT_POSTS]  74.93,142.49 270 top
J42  POWER_JACKSUPER_BOMB_DIGITY  [POWER_JACK_SMD_OVERPASTE_SUPER_BOMB_DIGITY]  12.19,123.19 0 top
J43  AMP FCI 10103594-0001LF  [USB-MICROB-PTH-MILL]  12.7,153.92 270 top
J44  [1X04_1MM_RA]  73.66,131.06 90 top
J45  ISP  [2X3_SMT_POSTS]  147.32,142.49 270 top
J46  POWER_JACKSUPER_BOMB_DIGITY  [POWER_JACK_SMD_OVERPASTE_SUPER_BOMB_DIGITY]  84.58,123.19 0 top
J47  AMP FCI 10103594-0001LF  [USB-MICROB-PTH-MILL]  85.09,153.92 270 top
J48  [1X04_1MM_RA]  146.05,131.06 90 top
J49  ISP  [2X3_SMT_POSTS]  219.71,142.49 270 top
J50  POWER_JACKSUPER_BOMB_DIGITY  [POWER_JACK_SMD_OVERPASTE_SUPER_BOMB_DIGITY]  156.97,123.19 0 top
J51  AMP FCI 10103594-0001LF  [USB-MICROB-PTH-MILL]  157.48,153.92 270 top
J52  [1X04_1MM_RA]  218.44,131.06 90 top
J53  ISP  [2X3_SMT_POSTS]  292.1,142.49 270 top
J54  POWER_JACKSUPER_BOMB_DIGITY  [POWER_JACK_SMD_OVERPASTE_SUPER_BOMB_DIGITY]  229.36,123.19 0 top
J55  AMP FCI 10103594-0001LF  [USB-MICROB-PTH-MILL]  229.87,153.92 270 top
J56  [1X04_1MM_RA]  290.83,131.06 90 top
J57  ISP  [2X3_SMT_POSTS]  364.49,142.49 270 top
J58  POWER_JACKSUPER_BOMB_DIGITY  [POWER_JACK_SMD_OVERPASTE_SUPER_BOMB_DIGITY]  301.75,123.19 0 top
J59  AMP FCI 10103594-0001LF  [USB-MICROB-PTH-MILL]  302.26,153.92 270 top
J60  [1X04_1MM_RA]  363.22,131.06 90 top
JP1  SFE_LOGO_NAME.1_INCH  [SFE_LOGO_NAME_.1]  42.95,43.31 0 top
JP2  M10SMD_COMBO  [1X10_SMD_COMBINED]  28.96,57.66 0 top
JP3  STAND-OFF  [STAND-OFF]  24.13,9.4 0 top
JP4  STAND-OFF  [STAND-OFF]  76.2,14.48 0 top
JP5  STAND-OFF  [STAND-OFF]  76.2,42.42 0 top
JP6  STAND-OFF  [STAND-OFF]  25.4,57.66 0 top
JP7  SFE_LOGO_FLAME.1_INCH  [SFE_LOGO_FLAME_.1]  49.43,45.85 0 top
JP8  FIDUCIAL1X2  [FIDUCIAL-1X2]  76.2,18.29 0 top
JP9  FIDUCIAL1X2  [FIDUCIAL-1X2]  21.59,58.93 0 top